# Altium PCB 210627 CB R0.PcbDoc
Units mm, origin at the board's own origin, x right, y up, seen from the top; angles counter-clockwise.
Board outline 152.4 x 101.6 mm, 2 copper layers (Top Layer, Bottom Layer); 148 components, 101 nets, 532 pads, 40 vias.
Unrouted connection lines stored in the file: 346.
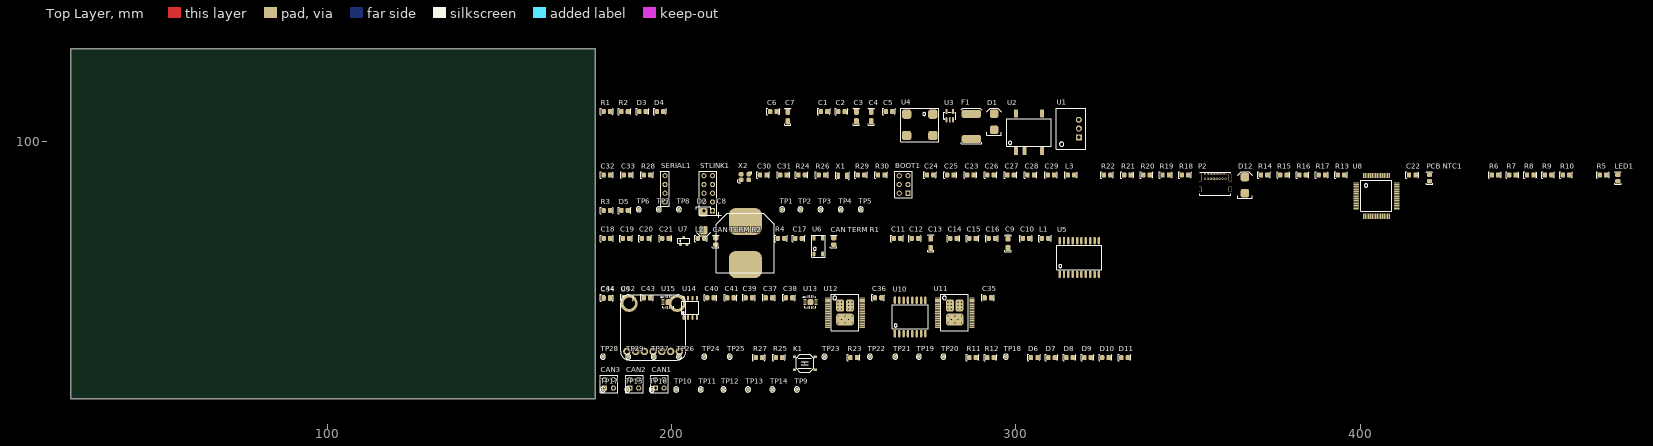
[diagram p0: Top Layer view]
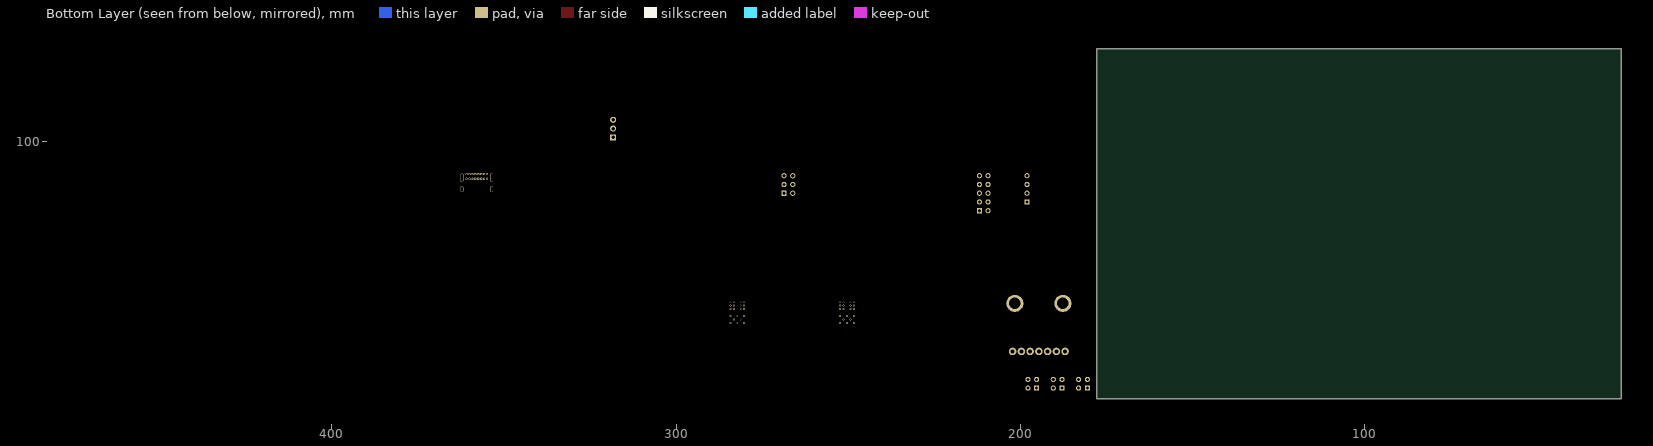
[diagram p1: Bottom Layer view, seen from below]

## Layer stack, top to bottom
Top Solder: solder mask 0.0102, Solder Resist, Dk 3.5
Top Layer: signal copper 0.0356
Dielectric 1: dielectric 0.32, FR-4, Dk 4.8
Bottom Layer: signal copper 0.0356
Bottom Solder: solder mask 0.0102, Solder Resist, Dk 3.5

## Board outline
25.4,25.4 177.8,25.4 177.8,127 25.4,127

## Design rules (kind name [scope] priority, off if disabled: settings)
Clearance [All] p1: gap=0.254 ignorepadtopadclearanceinfootprint=FALSE except(0: Arc-Hole Track-Hole SMDPad-Hole THPad-Hole Via-Hole Fill-Hole Poly-Hole Region-Hole Text-Hole)
PolygonConnect [All] p1: connectstyle=Relief reliefconductorwidth=0.254 reliefentries=4 polygonreliefangle="90 Angle" airgapwidth=0.254
RoomDefinition "U_Output Drivers1" [InComponentClass('U_Output Drivers1')] p1: confinementstyle=ConfineIn formatcopy=TRUE lockcomponents=FALSE outline 178.943,42.291 294.64,42.291 294.64,58.547 178.943,58.547
RoomDefinition "U_Power Supply" [InComponentClass('U_Power Supply')] p2: confinementstyle=ConfineIn formatcopy=TRUE lockcomponents=FALSE outline 178.943,95.377 355.092,95.377 355.092,112.649 178.943,112.649
RoomDefinition U_Microcontroller [InComponentClass('U_Microcontroller')] p3: confinementstyle=ConfineIn formatcopy=TRUE lockcomponents=FALSE outline 178.943,76.962 527.939,76.962 527.939,94.234 178.943,94.234
RoomDefinition U_CAN [InComponentClass('U_CAN')] p4: confinementstyle=ConfineIn formatcopy=TRUE lockcomponents=FALSE outline 178.943,59.563 400.558,59.563 400.558,75.819 178.943,75.819
RoomDefinition U_Accelerometer [InComponentClass('U_Accelerometer')] p5: confinementstyle=ConfineIn formatcopy=TRUE lockcomponents=FALSE outline 178.943,36.322 204.343,36.322 204.343,58.42 178.943,58.42
RoomDefinition "Top Level" [InComponentClass('Top Level')] p6: confinementstyle=ConfineIn formatcopy=TRUE lockcomponents=FALSE outline 178.943,26.924 199.644,26.924 199.644,35.052 178.943,35.052
RoutingVias [All] p1: holewidth=0.711 width=1.27 viastyle="Through Hole" minholewidth=0.711 minwidth=1.27 maxholewidth=0.711 maxwidth=1.27
SolderMaskExpansion [All] p1: expansion=0.102 istentingtop=FALSE
Width [All] p1: maxlimit=0.254 minlimit=0.254 preferedwidth=0.254
30 further rules are at their usual default settings.

## Classes and differential pairs
differential pair class USB_DIFFPAIR: USBDM USBDP
differential pair class CAN_DIFFPAIR_IN: CANH_IN CANL_IN
net class MICROCONTROLLER: "0V (ISO)" "0V (ISO) (Crystal HS)" "0V (ISO) (Crystal LS)" "3.3V (ISO)" "5V (ISO)" "5V (ISO) (USB)" BOOT0 BOOT1 "CAN RX INDC" "CAN TX INDC" "I2C RX INDC" "I2C TX INDC" LED2 LED3 NetC7_2 NetC24_2 NetC25_2 NetC33_2 NetD5_K NetD6_K NetD7_K NetD8_K NetD9_K NetD10_K NetD11_K NetK1_1 NetK1_3 NetL3_1 NetLED1_K NetP2_A5 NetP2_A6 NetP2_A7 NetP2_A8 NetP2_B5 NetP2_B8 NetR16_1 NetR17_1 NetR22_2 NetSTLINK1_5 NetTP15_1 NetTP16_1 NetU8_2 NetU8_10 NetU8_11 NetU8_15 NetU8_20 NetU8_22 NetU8_23 NetU8_24 NetU8_25 NetU8_29 NetU8_33 NetU8_34 NetU8_35 NetU8_36 NetU8_37 NetU8_38 NetU8_39 NetU8_40 NetU8_41 NetU8_42 NetU8_43 NetU8_50 NetU8_51 NetU8_52 NetU8_53 NetU8_54 NetU8_62 NRST PA5 "PCB TEMP" SWCLK SWDIO UARTRX UARTTX USBDM_N USBDP_P XTALA XTALB XTALC XTALD
net class GLV: 0V 5V 12V/24V "12V/24V (Unprotected)" GLV+ GLV- NetC1_2
net class CAN_NET: "5V (CAN)" CANH CANH_IN_P CANL CANL_IN_N CANS NetC14_1 NetC14_2 NetC17_1 NetR4_2
component class "U_Output Drivers1": C35 C36 C37 C38 C39 C40 C41 C42 C43 C44 U10 U11 U12 U13 U14 U15
component class "U_Power Supply": C2 C4 C6 D1 D3 D12 F1 R1 R2 TP1 TP2 TP3 TP4 TP5 TP6 TP7 TP8 U1 U2 U3 U4
component class U_Microcontroller: BOOT1 C22 C23 C24 C25 C26 C28 C30 C31 C32 C33 D6 D7 D8 D9 D10 D11 D12 K1 L3 LED1 P2 "PCB NTC1" R6 R7 R8 R9 R10 R27 R28 R29 R30 SERIAL1 STLINK1 TP18 TP19 TP20 TP21 TP22 TP23 TP24 TP25 TP26 TP27 TP28 TP29 U8 X1 X2
component class U_CAN: C9 C10 C11 C12 C13 C14 C15 C16 C17 C18 C19 C20 C21 "CAN TERM R1" "CAN TERM R2" L1 L2 TP9 TP10 TP11 TP12 TP13 TP14 TP15 TP16 TP17 U5 U6 U7
component class U_Accelerometer: C34 U9
component class "Top Level": CAN1 CAN2 CAN3 P1

## Components (designator, comment, footprint, x,y, rotation, side; value= is the part's Value field where it differs from the comment)
BOOT1 "2.54mm" "TH 2.54mm Header 2x3" 268.605,85.09 r90 top
C1 "10uF" 0805 244.221,108.839 r0 top
C2 "10uF" 0805 249.301,108.839 r0 top
C3 "22uF" 1206 253.619,108.585 r90 top
C4 "22uF" 1206 257.937,108.585 r90 top
C5 "1uF" 0805 263.144,108.839 r0 top
C6 "100nF" 0805 229.489,108.839 r0 top
C7 "22uF" 1206 233.68,108.585 r90 top
C8 "470uF" "Vishay Radial 1616" 221.361,70.612 r90 top
C9 "10nF" 1206 297.688,71.755 r90 top
C10 "100nF" 0805 302.895,72.009 r0 top
C11 "10uF" 0805 265.43,72.009 r0 top
C12 "100nF" 0805 270.637,72.009 r0 top
C13 "10nF" 1206 275.209,71.755 r90 top
C14 "100nF" 0805 281.813,72.009 r0 top
C15 "10uF" 0805 287.401,72.009 r0 top
C16 "100nF" 0805 292.989,72.009 r0 top
C17 "100pF" 0805 236.855,72.009 r0 top
C18 "100pF" 0805 181.102,72.009 r0 top
C19 "100pF" 0805 186.69,72.009 r0 top
C20 "100pF" 0805 192.278,72.009 r0 top
C21 "100pF" 0805 198.12,72.009 r0 top
C22 "100nF" 0805 415.163,90.424 r0 top
C23 "1uF" 0805 286.766,90.424 r0 top
C24 "2.2uF" 0805 275.082,90.424 r0 top
C25 "2.2uF" 0805 280.924,90.424 r0 top
C26 "100nF" 0805 292.608,90.424 r0 top
C27 "100nF" 0805 298.45,90.424 r0 top
C28 "100nF" 0805 304.292,90.424 r0 top
C29 "100nF" 0805 310.134,90.424 r0 top
C30 "22pF" 0805 226.568,90.424 r0 top
C31 "22pF" 0805 232.41,90.424 r0 top
C32 "12pF" 0805 181.102,90.424 r0 top
C33 "12pF" 0805 186.944,90.424 r0 top
C34 "100nF" 0805 181.102,54.61 r0 top
C35 "100nF" 0805 291.846,54.737 r0 top
C36 "100nF" 0805 259.969,54.737 r0 top
C37 "1uF" 0805 228.219,54.737 r0 top
C38 "1uF" 0805 234.061,54.737 r0 top
C39 "1uF" 0805 222.377,54.737 r0 top
C40 "100nF" 0805 211.201,54.737 r0 top
C41 "100nF" 0805 217.043,54.737 r0 top
C42 "1uF" 0805 186.944,54.737 r0 top
C43 "1uF" 0805 192.786,54.737 r0 top
C44 "1uF" 0805 181.102,54.737 r0 top
CAN1 "2.54mm" "TH 2.54mm Header 2x2" 195.199,28.448 r0 top
CAN2 "2.54mm" "TH 2.54mm Header 2x2" 187.833,28.448 r0 top
CAN3 "2.54mm" "TH 2.54mm Header 2x2" 180.467,28.448 r0 top
"CAN TERM R1" "56R" 0805 247.015,71.12 r90 top
"CAN TERM R2" "56R" 0805 212.725,71.12 r90 top
D1 "SD560BTR" "SMB Diode" 293.624,103.759 r90 top
D2 "SM6T39CAY" "ST SMB Diode" 209.169,76.962 r90 top
D3 "Red" "0805 LED" 191.516,108.839 r0 top
D4 "Red" "0805 LED" 196.596,108.839 r0 top
D5 "Red" "0805 LED" 186.309,80.137 r0 top
D6 "Blue" "0805 LED" 305.308,37.338 r0 top
D7 "Blue" "0805 LED" 310.388,37.338 r0 top
D8 "Blue" "0805 LED" 315.595,37.338 r0 top
D9 "Blue" "0805 LED" 320.802,37.338 r0 top
D10 "Blue" "0805 LED" 326.009,37.338 r0 top
D11 "Blue" "0805 LED" 331.597,37.338 r0 top
D12 "SD560BTR" "SMB Diode" 366.522,85.344 r90 top
F1 "0ZCF0100AF2A" 2920 287.02,100.838 r90 top
K1 "TS-1187A-C-D-B" "XKB SW-4.5" 238.633,35.687 r0 top
L1 "Ferrite" 0805 308.483,72.009 r0 top
L2 "Ferrite" 0805 208.534,72.009 r0 top
L3 "Ferrite" 0805 315.976,90.424 r0 top
LED1 "Yellow" "0805 LED" 474.853,89.535 r90 top
P2 "USB4085-GF-A" USB4085-GF-A 357.759,86.614 r0 top
"PCB NTC1" "10K (NTC) (B25/85 3430K)" 0805 420.116,89.535 r90 top
R1 "510R" 0805 181.102,108.839 r0 top
R2 "510R" 0805 186.309,108.839 r0 top
R3 "510R" 0805 181.102,80.137 r0 top
R4 "0R" 0805 231.775,72.009 r0 top
R5 "10k" 0805 470.535,90.424 r0 top
R6 "2.2k" 0805 439.166,90.424 r0 top
R7 "2.2k" 0805 444.246,90.424 r0 top
R8 "2.2k" 0805 449.453,90.424 r0 top
R9 "2.2k" 0805 454.66,90.424 r0 top
R10 "2.2k" 0805 459.867,90.424 r0 top
R11 "2.2k" 0805 287.401,37.338 r0 top
R12 "2.2k" 0805 292.608,37.338 r0 top
R13 "10k" 0805 394.462,90.424 r0 top
R14 "3.3k" 0805 372.11,90.424 r0 top
R15 "3.3k" 0805 377.698,90.424 r0 top
R16 "3.3k" 0805 383.286,90.424 r0 top
R17 "3.3k" 0805 388.874,90.424 r0 top
R18 "20R" 0805 349.123,90.424 r0 top
R19 "20R" 0805 343.535,90.424 r0 top
R20 "5.1k" 0805 337.947,90.424 r0 top
R21 "5.1k" 0805 332.359,90.424 r0 top
R22 "10k" 0805 326.517,90.424 r0 top
R23 "51k" 0805 252.857,37.338 r0 top
R24 "0R" 0805 237.744,90.424 r0 top
R25 "0R" 0805 231.14,37.338 r0 top
R26 "0R" 0805 243.586,90.424 r0 top
R27 "0R" 0805 225.298,37.338 r0 top
R28 "0R" 0805 192.786,90.424 r0 top
R29 "0R" 0805 255.016,90.424 r0 top
R30 "0R" 0805 260.858,90.424 r0 top
SERIAL1 "2.54mm" "TH 2.54mm Header 1x4" 197.993,82.55 r90 top
STLINK1 "2.54mm" "TH 2.54mm Header 2x5" 211.836,80.01 r90 top
TP1 "0mm" "SMD Test Point 1mm" 232.029,80.391 r0 top
TP2 "0mm" "SMD Test Point 1mm" 237.363,80.391 r90 top
TP3 "0mm" "SMD Test Point 1mm" 243.205,80.391 r90 top
TP4 "0mm" "SMD Test Point 1mm" 249.047,80.391 r90 top
TP5 "0mm" "SMD Test Point 1mm" 254.889,80.391 r90 top
TP6 "0mm" "SMD Test Point 1mm" 190.373,80.391 r90 top
TP7 "0mm" "SMD Test Point 1mm" 196.215,80.391 r90 top
TP8 "0mm" "SMD Test Point 1mm" 202.057,80.391 r90 top
TP9 "0mm" "SMD Test Point 1mm" 236.347,28.067 r90 top
TP10 "0mm" "SMD Test Point 1mm" 201.295,28.067 r90 top
TP11 "0mm" "SMD Test Point 1mm" 208.407,28.067 r90 top
TP12 "0mm" "SMD Test Point 1mm" 215.011,28.067 r90 top
TP13 "0mm" "SMD Test Point 1mm" 222.123,28.067 r90 top
TP14 "0mm" "SMD Test Point 1mm" 229.235,28.067 r90 top
TP15 "0mm" "SMD Test Point 1mm" 187.071,28.067 r90 top
TP16 "0mm" "SMD Test Point 1mm" 194.183,28.067 r90 top
TP17 "0mm" "SMD Test Point 1mm" 179.959,28.067 r90 top
TP18 "0mm" "SMD Test Point 1mm" 297.053,37.592 r90 top
TP19 "0mm" "SMD Test Point 1mm" 271.78,37.592 r90 top
TP20 "0mm" "SMD Test Point 1mm" 278.892,37.592 r90 top
TP21 "0mm" "SMD Test Point 1mm" 264.922,37.592 r90 top
TP22 "0mm" "SMD Test Point 1mm" 257.556,37.592 r90 top
TP23 "0mm" "SMD Test Point 1mm" 244.348,37.592 r90 top
TP24 "0mm" "SMD Test Point 1mm" 209.423,37.592 r90 top
TP25 "0mm" "SMD Test Point 1mm" 216.789,37.592 r90 top
TP26 "0mm" "SMD Test Point 1mm" 202.057,37.592 r90 top
TP27 "0mm" "SMD Test Point 1mm" 194.691,37.592 r90 top
TP28 "0mm" "SMD Test Point 1mm" 179.959,37.592 r90 top
TP29 "0mm" "SMD Test Point 1mm" 187.325,37.592 r90 top
U1 "R-78C5.0-1.0" "RECOM 3-SIP" 318.262,101.346 r90 top
U2 "R2S-0505/HP" "RECOM 8-SMD (5 Pin)" 303.784,102.743 r0 top
U3 "RT9193-33GB" "RICHTEK SOT-23-5" 280.797,107.442 r0 top
U4 "744272121" "Wurth 4-PC Pad" 268.224,101.854 r0 top value="120uH @ 100kHz"
U5 "ADM3053" "AD SOIC-W 20" 318.389,66.421 r0 top
U6 "B82787C0104H002" "TDK 4-PC Pad" 241.3,67.437 r90 top value="100µH @ 100kHz"
U7 "NUP2105L" "ON SOT-23" 203.454,71.247 r0 top
U8 "STM32F446RET6" "STM 64-LQFP" 404.749,84.328 r0 top
U9 "1018" "Adafruit 1018" 194.564,36.576 r0 top
U10 "ADuM1400" "AD 16-SOIC" 270.51,49.149 r0 top
U11 "VNH7040AY" "ST PowerSSO-36" 282.194,50.419 r0 top
U12 "VNH7040AY" "ST PowerSSO-36" 250.317,50.419 r0 top
U13 "ADS7128" "TI 16-WQFN" 240.284,53.467 r0 top
U14 "ISO1540DR" "TI 8-SOIC" 205.994,58.674 r90 top
U15 "ADS7128" "TI 16-WQFN" 199.009,53.467 r0 top
X1 "32.768kHz" "EPSON 2-SMD" 249.555,90.17 r0 top
X2 "16MHz" "Abracon 4-SMD 3.2x2.5" 221.234,89.789 r0 top

## Footprints (in the part's own frame and the unit in brackets; to place one, negate y for a bottom-side part, rotate by r counter-clockwise, add the part's x,y. Pads: shape width x height; smd on the part's side, far side on the other; paste and mask are expansions set on the pad)
0805 [mm]
  rrect50% 1.3x1.5 smd: 1(-0.962,-0.026) 2(0.938,-0.026)
  silkscreen extent -1.85,-0.95 1.8,0.93, body extent -1,-0.65 1,0.66, height 0.73
"0805 LED" [mm]
  rrect50% 1.3x1.5 smd: A(-0.962,-0.026) K(0.938,-0.026)
  silkscreen extent -1.85,-0.95 1.8,0.93, body extent -1.1,-0.62 0.9,0.62, height 1
1206 [mm]
  rrect50% 1.8x1.4 smd: 1(-2.6,0) 2(0.2,0)
  silkscreen extent -3.7,-0.9 1.2,0.9, body extent -2.9,-0.9 0.5,0.9, height 1.85
2920 [mm]
  rrect50% 2.3x5.6 smd: 1(0,0) 2(7.3,0)
  silkscreen extent -1.4,-3 9,3, body extent -0.34,-2.81 7.64,2.81, height 1.14
"Abracon 4-SMD 3.2x2.5" [mm]
  rrect50% 1.4x1.2 smd: 1(-1.1,-0.8) 2(1.1,0.8) GND(-1.1,0.8) GND(1.1,-0.8)
  silkscreen extent -2.02,-1.6 2,1.61, body extent -1.6,-1.25 1.6,1.25, height 0.8
"AD 16-SOIC" [mil]
  rrect50% 28x85 smd: 1(-225,-192.02)
  oval 28x85 smd: 2(-175,-192.02) 3(-125,-192.02) 4(-75,-192.02) 5(-25,-192.02) 6(25,-192.02) 7(75,-192.02) 8(125,-192.02) 9(125,190) 10(75,189.96) 11(25,189.96) 12(-25,189.96) 13(-75,189.96) 14(-125,189.96) 15(-175,191.98) 16(-225,191.98)
  silkscreen extent -257,-138 155,138, body extent -256,-209 156,209, height 104
"AD SOIC-W 20" [mil]
  rrect50% 28x85 smd: 1(-225,-192.02)
  oval 28x85 smd: 2(-175,-192.02) 3(-125,-192.02) 4(-75,-192.02) 5(-25,-192.02) 6(25,-192.02) 7(75,-192.02) 8(125,-192.02) 9(175,-192.02) 10(225,-192.02) 11(225,192.02) 12(175,191.98) 13(125,191.98) 14(75,191.98) 15(25,191.98) 16(-25,191.98) 17(-75,191.98) 18(-125,191.98) 19(-175,191.98) 20(-225,191.98)
  silkscreen extent -257,-138 256,138, body extent -260,-210 260,210, height 105
"Adafruit 1018" [mm]
  round 5 hole 3.3: 0(-6.985,16.51) 0(6.985,16.51)
  round 2.2 hole 1.2 unplated: 1(-7.62,2.54) 2(-5.08,2.54) 3(-2.54,2.54) 4(0,2.54) 5(2.54,2.54) 6(5.08,2.54) 7(7.62,2.54)
  silkscreen extent -9.49,0.04 9.49,19.01, body extent -9.55,0.02 9.5,19.07, height 5.9
"EPSON 2-SMD" [mm]
  rrect50% 1x1.8 smd: 1(-1.25,0) 2(1.25,0)
  silkscreen extent -2,-1.2 2,1.2, body extent -1.5,-1 1.5,1, height 1
"ON SOT-23" [mm] "NUP2105L"
  rrect50% 0.8x0.9 smd: 1(-0.95,-1) 2(0.95,-1) 3(0,1)
  silkscreen extent -1.75,-0.65 1.75,0.75, body extent -1.5,-1.27 1.5,1.28, height 1
"RECOM 3-SIP" [mm] "12 to 42 Vdc In, 9 Vdc Out"
  rect 1.75x1.75 hole 1: 1(0,0)
  round 1.75 hole 1: 2(2.54,0) 3(5.08,0)
  silkscreen extent -3.5,-2 8.5,6.5, body extent -3.26,-2.02 8.34,6.48, height 11.41
"RECOM 8-SMD (5 Pin)" [mm]
  rrect50% 1.2x2.4 smd: 1(-3.81,-5.4) 2(-1.27,-5.4) 4(3.81,-5.4) 5(3.81,5.5) 8(-3.81,5.5)
  silkscreen extent -6.5,-4 6.5,4, body extent -6.37,-5.55 6.38,5.55, height 9.2
"RICHTEK SOT-23-5" [mil]
  rrect50% 19x58 smd: 1(-39.37,-39.37) 2(-1.97,-39.37) 3(35.43,-39.37) 4(35.43,53.63) 5(-39.37,53.63)
  silkscreen extent -69,-31 64,47, body extent -62,-51 58,67, height 57
"SMB Diode" [mm]
  rrect50% 2.5x2.5 smd: A(-0.25,0) K(4.45,0)
  silkscreen extent -1.75,-2.1 6,2.1, body extent -0.69,-1.97 4.9,1.97, height 2.5
"SMD Test Point 1mm" [mm]
  round 1 smd: 1(0,0)
  silkscreen extent -0.75,-0.75 0.75,0.75
"ST PowerSSO-36" [mm]
  rrect50% 1.55x0.36 smd: 1(-5,4.25) 2(-5,3.75) 3(-5,3.25) 4(-5,2.75) 5(-5,2.25) 6(-5,1.75) 7(-5,1.25) 8(-5,0.75) 9(-5,0.25) 10(-5,-0.25) 11(-5,-0.75) 12(-5,-1.25) 13(-5,-1.75) 14(-5,-2.25) 15(-5,-2.75) 16(-5,-3.25) 17(-5,-3.75) 18(-5,-4.25) 19(5,-4.25) 20(5,-3.75) 21(5,-3.25) 22(5,-2.75) 23(5,-2.25) 24(5,-1.75) 25(5,-1.25) 26(5,-0.75) 27(5,-0.25) 28(5,0.25) 29(5,0.75) 30(5,1.25) 31(5,1.75) 32(5,2.25) 33(5,2.75) 34(5,3.25) 35(5,3.75) 36(5,4.25)
  rrect50% 5.2x3.5 smd: S1(0,-2.025)
  rrect50% 2.35x3.5 smd: S2(-1.4,2.025) S3(1.4,2.025)
  silkscreen extent -4,-5.25 4,5.25, body extent -5.17,-5.15 5.17,5.15, height 2.33
"ST SMB Diode" [mm]
  rrect50% 2.5x2.5 smd: A(2.6,0) K(-2.6,0)
  silkscreen extent -4.28,-2.12 4.17,2.08, body extent -2.88,-1.99 2.71,1.95, height 2.5
"STM 64-LQFP" [mm]
  rrect50% 1.56x0.35 smd mask+0.05: 1(-5.93,3.75) 2(-5.93,3.25) 3(-5.93,2.75) 4(-5.93,2.25) 5(-5.93,1.75) 6(-5.93,1.25) 7(-5.93,0.75) 8(-5.93,0.25) 9(-5.93,-0.25) 10(-5.93,-0.75) 11(-5.93,-1.25) 12(-5.93,-1.75) 13(-5.93,-2.25) 14(-5.93,-2.75) 15(-5.93,-3.25) 16(-5.93,-3.75) 33(5.93,-3.75) 34(5.93,-3.25) 35(5.93,-2.75) 36(5.93,-2.25) 37(5.93,-1.75) 38(5.93,-1.25) 39(5.93,-0.75) 40(5.93,-0.25) 41(5.93,0.25) 42(5.93,0.75) 43(5.93,1.25) 44(5.93,1.75) 45(5.93,2.25) 46(5.93,2.75) 47(5.93,3.25) 48(5.93,3.75)
  rrect50% 0.35x1.56 smd mask+0.05: 17(-3.75,-5.93) 18(-3.25,-5.93) 19(-2.75,-5.93) 20(-2.25,-5.93) 21(-1.75,-5.93) 22(-1.25,-5.93) 23(-0.75,-5.93) 24(-0.25,-5.93) 25(0.25,-5.93) 26(0.75,-5.93) 27(1.25,-5.93) 28(1.75,-5.93) 29(2.25,-5.93) 30(2.75,-5.93) 31(3.25,-5.93) 32(3.75,-5.93) 49(3.75,5.93) 50(3.25,5.93) 51(2.75,5.93) 52(2.25,5.93) 53(1.75,5.93) 54(1.25,5.93) 55(0.75,5.93) 56(0.25,5.93) 57(-0.25,5.93) 58(-0.75,5.93) 59(-1.25,5.93) 60(-1.75,5.93) 61(-2.25,5.93) 62(-2.75,5.93) 63(-3.25,5.93) 64(-3.75,5.93)
  silkscreen extent -4.5,-4.5 4.5,4.5, body extent -6,-6 6,6, height 1.63
"TDK 4-PC Pad" [mm]
  rrect50% 1.35x0.9 smd: 1(0,0) 2(0,-2.5) 3(4.55,-2.5) 4(4.55,0)
  silkscreen extent -1,-3.2 5.5,0.7, body extent -0.02,-2.82 4.48,0.38, height 2.8
"TH 2.54mm Header 1x4" [mm]
  rect 1.5x1.5 hole 0.9: 1(0,0)
  round 1.5 hole 0.9: 2(2.54,0) 3(5.08,0) 4(7.62,0)
  silkscreen extent -1.27,-1.27 8.89,1.27, body extent -1.27,-1.27 8.89,1.27, height 9.5
"TH 2.54mm Header 2x2" [mm]
  rect 1.5x1.5 hole 0.9: 1(0,0)
  round 1.5 hole 0.9: 2(0,2.54) 3(2.54,0) 4(2.54,2.54)
  silkscreen extent -1.27,-1.27 3.81,3.81, body extent -1.27,-1.27 3.81,3.81, height 9.5
"TH 2.54mm Header 2x3" [mm]
  rect 1.5x1.5 hole 0.9: 1(0,0)
  round 1.5 hole 0.9: 2(0,2.54) 3(2.54,0) 4(2.54,2.54) 5(5.08,0) 6(5.08,2.54)
  silkscreen extent -1.27,-1.27 6.35,3.81, body extent -1.27,-1.27 6.35,3.81, height 9.5
"TH 2.54mm Header 2x5" [mm]
  rect 1.5x1.5 hole 0.9: 1(0,0)
  round 1.5 hole 0.9: 2(0,2.54) 3(2.54,0) 4(2.54,2.54) 5(5.08,0) 6(5.08,2.54) 7(7.62,0) 8(7.62,2.54) 9(10.16,0) 10(10.16,2.54)
  silkscreen extent -1.27,-1.27 11.43,3.81, body extent -1.27,-1.27 11.43,3.81, height 9.5
"TI 8-SOIC" [mm]
  oval 1.4x0.6 smd: 1(-9.677,2.54) 2(-9.677,1.27) 3(-9.677,0) 4(-9.677,-1.27) 5(-4.089,-1.27) 6(-4.089,0) 7(-4.089,1.27) 8(-4.089,2.54)
  silkscreen extent -8.74,-1.78 -5.03,3.17, body extent -9.96,-1.87 -3.76,3.14, height 1.76
"TI 16-WQFN" [mm]
  rrect50% 0.85x0.28 smd: 1(-1.575,0.75) 2(-1.575,0.25) 3(-1.575,-0.25) 4(-1.575,-0.75) 9(1.575,-0.75) 10(1.575,-0.25) 11(1.575,0.25) 12(1.575,0.75)
  rrect50% 0.28x0.85 smd: 5(-0.75,-1.575) 6(-0.25,-1.575) 7(0.25,-1.575) 8(0.75,-1.575) 13(0.75,1.575) 14(0.25,1.575) 15(-0.25,1.575) 16(-0.75,1.575)
  rrect50% 1.7x1.7 smd: 23(0,0)
  silkscreen extent -2.2,-1.6 1.6,1.6, body extent -1.58,-1.58 1.58,1.58, height 0.8
USB4085-GF-A [mm]
  round 0.65 hole 0.4: A1(-2.848,4.025) A4(-1.998,4.025) A5(-1.148,4.025) A6(-0.298,4.025) A7(0.552,4.025) A8(1.402,4.025) A9(2.252,4.025) A12(3.102,4.025) B1(3.102,2.675) B4(2.252,2.675) B5(1.402,2.675) B6(0.552,2.675) B7(-0.298,2.675) B8(-1.148,2.675) B9(-1.998,2.675) B12(-2.848,2.675)
  oval 0.9x2.4 hole 0.6 slot 2.1 at 90 deg: P1(-4.198,3.045) P2(4.452,3.045)
  oval 0.9x1.7 hole 0.6 slot 1.4 at 90 deg: P3(4.452,-0.335) P4(-4.198,-0.335)
  silkscreen extent -4.35,-2.07 4.6,4.58, body extent -4.39,-4.56 4.64,4.61, height 3.46
"Vishay Radial 1616" [mm]
  rrect50% 7.8x9.6 smd: 1(-6.25,0) 2(6.25,0)
  silkscreen extent -8.6,-8.4 8.9,8.5, body extent -9.3,-8.2 9.3,8.4, height 16.61
"Wurth 4-PC Pad" [mm]
  rrect50% 2.7x2.7 smd: 1(7.62,6.22) 2(0,6.22) 3(0,0) 4(7.62,0)
  silkscreen extent -1.7,-1.8 9.4,8, body extent -1.19,-1.24 8.81,7.46, height 6.2
"XKB SW-4.5" [mm]
  rrect50% 1x0.75 smd: 1(-3,-1.9) 2(3,-1.9) 3(-3,1.85) 4(3,1.85)
  silkscreen extent -2.55,-2.55 2.55,2.55, body extent -3,-2.55 3,2.55, height 1.35

## Part data
BOOT1: library part "TH 2.54mm Header 2x3", Angle=0, Contact=NA, Flange=No, Part Number="TH 2.54mm Header 2x3", Pitch=2.54mm, Positions=6, Row Spacing=2.54mm
C1 C2 C11 C15: library part GRM21BR6YA106KE43L, Digikey Part Number=490-10514-6-ND, Manufacturer=muRata, Rated Voltage=50V, Tolerance=10%, Material=X5R, Part Number=GRM21BR6YA106KE43L
C3 C4 C7: library part CC1206MKX5R7BB226, Digikey Part Number=311-1997-2-ND, Manufacturer=YAGEO, Rated Voltage=16V, Tolerance=20%, Material=Ceramic, Part Number=CC1206MKX5R7BB226
C5 C23 C37 C38 C39 C42 C43 C44: library part AC0805KKX7R8BB105, Digikey Part Number="DO NOT USE FOR NEW DESIGNS", Manufacturer=YAGEO, Rated Voltage=25V, Tolerance=10%, Material=X7R, Part Number=AC0805KKX7R8BB105
C6 C10 C12 C14 C16 C22 C34 C35 C36 C40 C41: library part GCM21BR71E104KA37L, Digikey Part Number="DO NOT USE FOR NEW DESIGNS", Manufacturer=muRata, Rated Voltage=25V, Tolerance=10%, Material=X7R, Part Number=GCM21BR71E104KA37L
C8: library part MAL214699108E3, Digikey Part Number=4442PHCT-ND, Manufacturer=Vishay, Rated Voltage=50V, Tolerance=20%, Material="Aluminium Electrolytic", Part Number=MAL214699108E3
C9 C13: library part GCM3195C2A103JA16D, Digikey Part Number=490-4978-2-ND, Manufacturer=muRata, Rated Voltage=100V, Tolerance=5%, Material=Ceramic, Part Number=GCM3195C2A103JA16D
C17 C18 C19 C20 C21: library part GCM21B5C1H101JA37L, Digikey Part Number="DO NOT USE FOR NEW DESIGNS", Manufacturer=muRata, Rated Voltage=50V, Tolerance=5%, Material=C0G, Part Number=GCM21B5C1H101JA37L
C24 C25: library part GCM21BR61C225KA37L, Digikey Part Number="DO NOT USE FOR NEW DESIGNS", Manufacturer=muRata, Rated Voltage=16V, Tolerance=10%, Material=X5R, Part Number=GCM21BR61C225KA37L
C26 C27 C28 C29: library part GCM21BR71H104KA37L, Digikey Part Number=490-6064-1-ND, Manufacturer=muRata, Rated Voltage=50V, Tolerance=±10%, Material=X7R, Part Number=GCM21BR71H104KA37L
C30 C31: library part GRM21A5C2E220JW01D, Digikey Part Number=490-5534-1-ND, Manufacturer=muRata, Rated Voltage=250V, Tolerance=±5%, Material="C0G, NP0", Part Number=GRM21A5C2E220JW01D
C32 C33: library part GCM21B5c1H120JA37L, Digikey Part Number="DO NOT USE FOR NEW DESIGNS", Manufacturer=muRata, Rated Voltage=50V, Tolerance=5%, Material=C0G, Part Number=GCM21B5c1H120JA37L
CAN1 CAN2 CAN3: library part "TH 2.54mm Header 2x2", Angle=0, Contact=NA, Flange=No, Part Number="TH 2.54mm Header 2x2", Pitch=2.54mm, Positions=4, Row Spacing=2.54mm
"CAN TERM R1" "CAN TERM R2": library part RC0805FR0756RL, Digikey Part Number=311-56.0CRCT-ND, Manufacturer=YAGEO, Rated Voltage=0.125W, Tolerance=0.01, Material=FR-07, Part Number=RC0805FR0756RL
D1 D12: "1.2V_F 600V 5A SMB", Digikey Part Number=1655-1530-2-ND, Manufacturer="SMC Diode Solutions", Digikey Link=https://www.digikey.com/product-detail/en/smc-diode-solutions/SD560BTR/1655-1530-2-ND/6022620, Part Number=SD560BTR
D2: "42.8V Clamp 93A (8/20µs) Ipp Tvs Diode Surface Mount SMB (DO-214AA)", Manufacturer=ST, Alternative Parts=https://www.digikey.com/en/products/detail/stmicroelectronics/SM6T39AY/2442901, Digikey Link=https://www.digikey.com/en/products/detail/stmicroelectronics/SM6T39CAY/2442903, Digikey Part Number=SM6T39CAY, Part Number=SM6T39CAY, Vbr=42.8V, Vf=42.8
D3 D4 D5: library part SML-210LTT86, "Red LED Indication - Discrete 1.75V 0805 (2012 Metric)", Digikey Part Number=511-1286-1-ND, Manufacturer="ROHM Semiconductor", Colour=Red, Digikey Link=https://www.digikey.com/product-detail/en/rohm-semiconductor/SML-210LTT86/511-1286-1-ND/637099, Part Number=SML-210LTT86
D6 D7 D8 D9 D10 D11: library part SML-MN2BCTT86C, "LED BLUE CLEAR 2012 SMD", Digikey Part Number=846-1207-1-ND, Manufacturer="ROHM Semiconductor", Colour=Blue, Digikey Link=https://www.digikey.com/product-detail/en/rohm-semiconductor/SMLMN2BCTT86C/846-1207-1-ND/6057239, Part Number=SML-MN2BCTT86C
F1: "PTC RESET FUSE 60V 1A 292", Digikey Part Number=507-2070-1-ND, Manufacturer="Littelfuse Inc.", Digikey Link=https://www.digikey.com/product-detail/en/bel-fuse-inc/0ZCF0100AF2A/507-2070-1-ND/6210547, Part Number=0ZCF0100AF2A
K1: "TACTILE SWITCHES SPST 5.10MM X 5.10MM 0.80MM SMD ROHS", Manufacturer="XKB Enerprise", Link=https://jlcpcb.com/client/index.html#/parts/componentSearch?searchTxt=usb, Part Number=TS-1187A-C-D-B
L1 L2 L3: library part MMZ2012Y202BTD25, Digikey Part Number=445-172872-1-ND, Manufacturer="TDK Corportation", Rated Current=400mA, Impedence="2 kOhms @ 100MHz", Material="Ferrite Bead", Part Number=MMZ2012Y202BTD25
LED1: library part SML-211YTT86, "Yellow LED Indication - Discrete 1.75V 0805 (2012 Metric)", Digikey Part Number=511-1293-1-ND, Manufacturer="ROHM Semiconductor", Colour=Yellow, Digikey Link=https://www.digikey.com/product-detail/en/rohm-semiconductor/SML-211YTT86/511-1293-1-ND/637106, Part Number=SML-211YTT86
P2: "USB - C (Type - C) USB 2.0 Receptacle Connector 16 Position Through Hole, Right Angle", Digikey Part Number=2073-USB4085-GF-ACT-ND, Angle=90, Digikey Link=https://www.digikey.ee/product-detail/en/gct/USB4085-GF-A/2073-USB4085-GF-ACT-ND/9859733, Part Number=USB4085-GF-A
"PCB NTC1": library part NTCS0805E3103FLT, Digikey Part Number=BC2733CT-ND, Manufacturer="Vishay Beyschlag", Rated Voltage=210mW, Tolerance=0.01, Part Number=NTCS0805E3103FLT
R1 R2 R3: library part RC0805FR07510RL, Digikey Part Number=311-510CRCT-ND, Manufacturer=YAGEO, Rated Voltage=0.125W, Tolerance=0.01, Material=FR-07, Part Number=RC0805FR07510RL
R4 R24 R25 R26 R27 R28 R29 R30: library part RC0805FR070RL, Digikey Part Number=311-0.0CRCT-ND, Manufacturer=YAGEO, Rated Voltage=0.125W, Tolerance=0.01, Material=FR-07, Part Number=RC0805FR070RL
R5 R13 R22: library part RC0805FR0710KL, Digikey Part Number=311-10.0KCRCT-ND, Manufacturer=YAGEO, Rated Voltage=0.125W, Tolerance=0.01, Material=FR-07, Part Number=RC0805FR0710KL
R6 R7 R8 R9 R10 R11 R12: library part RC0805FR072K2L, Digikey Part Number=311-2.20KCRCT-ND, Manufacturer=YAGEO, Rated Voltage=0.125W, Tolerance=0.01, Material=FR-07, Part Number=RC0805FR072K2L
R14 R15 R16 R17: library part RC0805FR073K3L, Digikey Part Number=311-3.30KCRCT-ND, Manufacturer=YAGEO, Rated Voltage=0.125W, Tolerance=0.01, Material=FR-07, Part Number=RC0805FR073K3L
R18 R19: library part RC0805FR0720RL, Digikey Part Number=311-20.0CRCT-ND, Manufacturer=YAGEO, Rated Voltage=0.125W, Tolerance=0.01, Material=FR-07, Part Number=RC0805FR0720RL
R20 R21: library part RC0805FR075K1L, Digikey Part Number=311-5.10KCRCT-ND, Manufacturer=YAGEO, Rated Voltage=0.125W, Tolerance=0.01, Material=FR-07, Part Number=RC0805FR075K1L
R23: library part RC0805FR0751KL, Digikey Part Number=311-51.0KCRCT-ND, Manufacturer=YAGEO, Rated Voltage=0.125W, Tolerance=0.01, Material=FR-07, Part Number=RC0805FR0751KL
SERIAL1: library part "TH 2.54mm Header 1x4", Angle=0, Contact=NA, Flange=No, Part Number="TH 2.54mm Header 1x4", Pitch=2.54mm, Positions=4, Row Spacing=2.54mm
STLINK1: library part "TH 2.54mm Header 2x5", Angle=0, Contact=NA, Flange=No, Part Number="TH 2.54mm Header 2x5", Pitch=2.54mm, Positions=10, Row Spacing=2.54mm
TP1 TP2 TP3 TP4 TP5 TP6 TP7 TP8 TP9 TP10 TP11 TP12 TP13 TP14 TP15 TP16 TP17 TP18 TP19 TP20 TP21 TP22 TP23 TP24 TP25 TP26 TP27 TP28 TP29: library part "SMD Test Point Small", Angle=0, Contact=NA, Flange=No, Part Number="SMD Test Point Small", Pitch=0mm, Positions=1, Row Spacing=0
U1: "CONV DC/DC 1A 5V OUT SIP VERT", Digikey Part Number=945-1395-5-ND, Manufacturer=Recom, Output Power=5W, Output Voltage=5V, Digikey Link=https://www.digikey.com.au/product-detail/en/recom-power/R-78C5.0-1.0/945-1395-5-ND/2652148, Isolation=Non-Isolated, Part Number=R-78C5.0-1.0
U2: "Isolated Module DC DC Converter 1 Output 3.3V 606mA 4.5V - 5.5V Input", Digikey Part Number=945-1764-5-ND, Input Voltage=4.5V-5.5V, Manufacturer=Recom, Output Power=2W, Output Voltage=5V, Digikey Link=https://www.digikey.com/product-detail/en/recom-power/R2S-0505-HP/945-1764-5-ND/2302761, Efficiency=0.85, Isolation=Isolated, Part Number=R2S-0505/HP
U3: "Linear Voltage Regulator IC 1 Output 300mA SOT-23-5", Digikey Part Number=1028-1014-1-ND, Input Voltage=5.5V-0.3V, Manufacturer=Richtek, Output Power=1W, Output Voltage=3.3V, Digikey Link=https://www.digikey.com/products/en?keywords=1028-1014-1-ND, Efficiency=0.5, Isolation=Non-Isolated, Part Number=RT9193-33GB
U4: "120µH @ 100kHz 2 Line Common Mode Choke Surface Mount 460 Ohms @ 30MHz 2.5A DCR 25mOhm", Digikey Part Number=732-1489-1-ND, Manufacturer="Wurth Electronics Inc", Rated Current=2.5A, Digikey Link=https://www.digikey.com/product-detail/en/w-rth-elektronik/744272121/732-1489-1-ND/1639501, Impedence="460 Ohms @ 30MHz", Material=Wirewound, Part Number=744272121
U5: "Isolated CAN Transceiver", Digikey Part Number=ADM3053BRWZ-ND, Manufacturer="Analogue Devices", Digikey Link=https://www.digikey.com/product-detail/en/analog-devices-inc/ADM3053BRWZ/ADM3053BRWZ-ND/2709332, Part Number=ADM3053
U6: "100µH @ 100kHz 2 Line Common Mode Choke Surface Mount 5.8 kOhms @ 10MHz 150mA DCR 2Ohm", Digikey Part Number=495-4598-1-ND, Manufacturer="EPCOS (TDK)", Rated Current=150mA, Digikey Link=https://www.digikey.com/product-detail/en/epcos-tdk/B82787C0104H002/495-4598-2-ND/3680998, Impedence="5.8 kOhms @ 10MHz", Material=Wirewound, Part Number=B82787C0104H002
U7: "Dual Line CAN Bus Protector", Digikey Part Number=NUP2105LT1GOSCT-ND, Manufacturer="ON Semiconductor", Digikey Link=https://www.digikey.com/product-detail/en/on-semiconductor/NUP2105LT1G/NUP2105LT1GOSCT-ND/1485001, Part Number=NUP2105L
U8: "ARM® Cortex®-M4 STM32F4 Microcontroller IC 32-Bit 180MHz 512KB (512K x 8) FLASH 64-LQFP (10x10)", Digikey Part Number=497-15376-ND, Manufacturer=STMicroelectronics, Digikey Link=https://www.digikey.com.au/product-detail/en/stmicroelectronics/STM32F446RET6/497-15376-ND/5175962, Part Number=STM32F446RET6
U9: "ADXL326 series Accelerometer, 3 Axis Sensor Evaluation Board", Manufacturer=Adafruit, Supplier Part Number=1528-1011-ND, Link=https://www.digikey.com/en/products/detail/adafruit-industries-llc/1018/4990760, Part Number=1018
U10: "General Purpose Digital Isolator 2500Vrms 4 Channel 1Mbps 25kV/µs CMTI 16-SOIC (0.295\", 7.50mm Width)", Digikey Part Number=ADUM1400WSRWZ-ND, Manufacturer="Analog Devices", Digikey Link=https://www.digikey.com/product-detail/en/analog-devices-inc/ADUM1400WSRWZ/ADUM1400WSRWZ-ND/1873713, Part Number=ADuM1400
U11 U12: "Motor Driver Power MOSFET PWM PowerSSO-36 TP", Digikey Part Number=497-17631-1-ND, Manufacturer=STMicroelectronics, Digikey Link=https://www.digikey.com/en/products/detail/stmicroelectronics/VNH7040AYTR/7691019?s=N4IgTCBcDaIG4DsAWB2ADAFjSAugXyA, Notes/Alternatives=VNH7070AYTR, Part Number=VNH7040AY
U13 U15: "12 Bit Analog to Digital Converter 8 Input 1 SAR 16-WQFN (3x3)", Digikey Part Number=296-ADS7128IRTERCT-ND, Manufacturer="Texas Instruments", Digikey Link=https://www.digikey.com/en/products/detail/texas-instruments/ADS7128IRTER/12696006?s=N4IgTCBcDaIIYBMDOB2AjGAHCAugXyA, Part Number=ADS7128
U14: "I2C Digital Isolator (Multichannel)", Digikey Part Number=296-34871-1-ND, Manufacturer="Texas Instruments", Digikey Link=https://www.digikey.com/product-detail/en/texas-instruments/ISO1540DR/296-34871-1-ND/3587214, Part Number=ISO1540DR
X1: library part "FC-135 32.7680KA-A5", Digikey Part Number=SER4103TR-ND, Load Capacitance=12.5pF, Manufacturer=EPSON, Digikey Link=https://www.digikey.com/product-detail/en/epson/FC-135-32.7680KA-A5/SER4103TR-ND/5259895, ESR=70k, Part Number="FC-135 32.7680KA-A5"
X2: library part ABM8AIG-16.000MHZ-12-2Z-T3, Digikey Part Number=535-13386-1-ND, Load Capacitance=12pF, Manufacturer="Abracon LLC", Digikey Link=https://www.digikey.com/en/products/detail/abracon-llc/ABM8AIG-16-000MHZ-12-2Z-T3/5817586, ESR=70R, Part Number=ABM8AIG-16.000MHZ-12-2Z-T3

## Via types
v1: diameter 0.55, hole 0.25, Top Layer to Bottom Layer, 40 vias

## Nets (pads, with @x,y where several pads share a name; then routed paths per layer and width w, separated by ;. In a path a pad name is that pad's centre, name@x,y a point inside that pad or via, vN(x,y) a via of type N, cw(c..) or ccw(c..) an arc to the next point about the centre after c; other vN are vias at no path point)
0V: C2.1 C3.1 C37.1 C38.1 C39.2 C41.1 C42.1 C43.1 C44.2 R1.1 TP7.1 U1.2 U2.1 U4.3 U13.9 U14.5 U15.9
"0V (ISO)": "PCB NTC1.1" BOOT1.5 BOOT1.6 C4.1 C5.1 C6.1 C7.1 C9.1 C10.1 C15.1 C16.1 C22.1 C23.1 C24.1 C25.1 C26.1 C27.1 C28.1 C29.1 C34.1 C40.1 K1.2 P2.A1 P2.A12 P2.B1 P2.B12 P2.P1 R2.1 R3.1 R6.1 R7.1 R8.1 R9.1 R10.1 R11.1 R12.1 R20.2 R21.2 R25.1 R26.1 R27.1 R28.1 R29.1 R30.1 SERIAL1.4 STLINK1.3 STLINK1.4 TP8.1 U2.4 U3.2 U5.1 U5.3 U5.7 U5.9 U5.10 U8.12 U8.18 U8.31 U8.63 U9.3 U14.4
"0V (ISO) (Crystal HS)": C32.1 C33.1 R25.2 R27.2 X2.GND
"0V (ISO) (Crystal LS)": C30.1 C31.1 R26.2 R28.2
"3.3V (ISO)": BOOT1.1 BOOT1.2 C5.2 C9.2 C10.2 C23.2 C26.2 C27.2 C28.2 C29.2 C34.2 D5.A L3.2 R14.2 R15.2 R16.2 R17.2 R23.2 SERIAL1.1 STLINK1.7 STLINK1.8 TP5.1 U3.5 U5.6 U8.1 U8.19 U8.32 U8.48 U8.64 U9.1 U9.2
5V: C3.2 C37.2 C38.2 C41.2 C42.2 C43.2 D3.A TP3.1 U1.3 U2.2 U11.20 U11.22 U12.20 U12.22 U13.7 U13.10 U14.8 U15.7 U15.10
"5V (CAN)": C11.2 C12.2 C13.2 L1.2 TP9.1 U5.19
"5V (ISO)": C4.2 C6.2 C15.2 C16.2 C40.2 D4.A D12.K R5.2 STLINK1.9 STLINK1.10 TP4.1 U2.5 U3.1 U3.3 U5.8 U14.1
"5V (ISO) (USB)": D12.A P2.A4 P2.A9 P2.B4 P2.B9
12V/24V: C2.2 TP2.1 U1.1 U4.2
"12V/24V (Unprotected)": C8.2 D1.A D2.K F1.2
BOOT0: BOOT1.3 R22.1 R29.2 TP24.1
BOOT1: BOOT1.4 R13.2 R30.2 TP25.1
CAN1H: CAN1.3
CAN1L: CAN1.1
CAN2H: CAN2.3
CAN2L: CAN2.1
CAN3H: CAN3.3
CAN3L: CAN3.1
"CAN RX INDC": D7.A U8.27
"CAN TX INDC": D6.A U8.26
CANH: "CAN TERM R1.2" C19.2 CAN1.4 CAN2.4 CAN3.4 TP11.1 U6.1
CANH_IN_P: C21.2 TP13.1 U5.17 U6.4 U7.1
CANL: "CAN TERM R2.1" C18.2 CAN1.2 CAN2.2 CAN3.2 TP10.1 U6.2
CANL_IN_N: C20.2 TP12.1 U5.15 U6.3 U7.2
CANS: C11.1 C12.1 C13.1 C17.2 C18.1 C19.1 C20.1 C21.1 L2.2 R4.1 TP17.1 U5.11 U5.16 U5.20 U7.3
GLV+: C35.2 C36.2 U11.10 U11.18 U11.36 U11.S1 U12.10 U12.18 U12.36 U12.S1
  other v1: 248.317,47.419 250.317,47.419 252.317,47.419 280.194,47.419 282.194,47.419 284.194,47.419 249.317,48.419 251.317,48.419 281.194,48.419 283.194,48.419 248.317,49.419 250.317,49.419 252.317,49.419 280.194,49.419 282.194,49.419 284.194,49.419
GLV-: C35.1 C36.1 U11.3 U11.4 U11.5 U11.6 U11.7 U12.3 U12.4 U12.5 U12.6 U12.7
"Green In": 
"I2C RX INDC": D8.A U8.56
"I2C TX INDC": D9.A U8.55
INA: U11.16 U12.16 U13.3 U13.15
INB: U11.21 U12.21 U13.4 U13.16
LED2: D10.A U8.8
LED3: D11.A U8.9
MultiSense: U11.19 U12.19 U13.2 U13.6
"MultiSense SEL0": U11.15 U12.15 U13.1 U13.5
NetC1_2: C1.2 D1.K U4.1
NetC7_2: C7.2 U3.4
NetC14_1: C14.1 L2.1 U5.13
NetC14_2: C14.2 L1.1 U5.12
NetC17_1: "CAN TERM R1.1" "CAN TERM R2.2" C17.1
NetC24_2: C24.2 U8.47
NetC25_2: C25.2 U8.30
NetC33_2: C33.2 R24.1 X2.2
NetC39_1: C39.1 U13.8
NetC44_1: C44.1 U15.8
NetD3_K: D3.K R1.2
NetD4_K: D4.K R2.2
NetD5_K: D5.K R3.2
NetD6_K: D6.K R7.2
NetD7_K: D7.K R8.2
NetD8_K: D8.K R9.2
NetD9_K: D9.K R10.2
NetD10_K: D10.K R11.2
NetD11_K: D11.K R12.2
NetL3_1: L3.1 U8.13
NetLED1_K: LED1.K R6.2
NetP2_A5: P2.A5 R20.1
NetP2_A6: P2.A6 P2.B6 R18.1
NetP2_A7: P2.A7 P2.B7 R19.1
NetP2_B5: P2.B5 R21.1
NetR4_2: R4.2 TP14.1 U5.18
NetR13_1: R13.1 U8.28
NetR14_1: R14.1 U8.57
NetR15_1: R15.1 U8.58
NetR16_1: R16.1 TP19.1 U8.59
NetR17_1: R17.1 TP20.1 U8.61
NetR22_2: R22.2 U8.60
NetTP15_1: TP15.1 U5.5
NetTP16_1: TP16.1 U5.4
NetU9_4: U9.4
NetU9_5: U9.5
NetU9_6: U9.6
NetU9_7: U9.7
NetU10_6: U10.6
NetU10_11: U10.11 U11.17
NetU10_14: U10.14 U12.17
NetU11_2: U11.2 U11.8 U11.9 U11.S2 U12.2 U12.8 U12.9 U12.S2
  other v1: 248.317,51.419 249.317,51.419 280.194,51.419 281.194,51.419 248.317,52.419 249.317,52.419 280.194,52.419 281.194,52.419 248.317,53.419 249.317,53.419 280.194,53.419 281.194,53.419
NetU11_11: U11.11 U11.12 U11.13 U11.14 U12.11 U12.12 U12.13 U12.14
NetU11_23: U11.23 U11.24 U11.25 U11.26
NetU11_28: U11.28 U11.29 U11.35 U11.S3 U12.28 U12.29 U12.35 U12.S3
  other v1: 251.317,51.419 252.317,51.419 283.194,51.419 284.194,51.419 251.317,52.419 252.317,52.419 283.194,52.419 284.194,52.419 251.317,53.419 252.317,53.419 283.194,53.419 284.194,53.419
NetU12_23: U12.23 U12.24 U12.25 U12.26
NetU13_11: U13.11 U15.11
NetU14_2: U14.2
NetU14_3: U14.3
NRST: K1.4 R23.1 STLINK1.1 TP23.1 U8.7
PA5: LED1.A U8.21
"PCB TEMP": "PCB NTC1.2" C22.2 R5.1 TP18.1 U8.14
SCL: U13.13 U14.6 U15.13
SDA: U13.14 U14.7 U15.14
SWCLK: STLINK1.6 TP29.1 U8.49
SWDIO: STLINK1.2 TP26.1 U8.46
UARTRX: SERIAL1.3 TP28.1 U8.17
UARTTX: SERIAL1.2 TP27.1 U8.16
USBDM_N: R19.2 TP22.1 U8.44
USBDP_P: R18.2 TP21.1 U8.45
XTALA: C32.2 U8.5 X2.1
XTALB: R24.2 U8.6
XTALC: C30.2 U8.3 X1.1
XTALD: C31.2 U8.4 X1.2
pads on no net: C1.1 C8.1 D2.A F1.1 K1.1 K1.3 P2.A8 P2.B8 P2.P2 P2.P3 P2.P4 STLINK1.5 TP1.1 TP6.1 U2.8 U4.4 U5.2 U5.14 U8.2 U8.10 U8.11 U8.15 U8.20 U8.22 U8.23 U8.24 U8.25 U8.29 U8.33 U8.34 U8.35 U8.36 U8.37 U8.38 U8.39 U8.40 U8.41 U8.42 U8.43 U8.50 U8.51 U8.52 U8.53 U8.54 U8.62 U9.0 U10.1 U10.2 U10.3 U10.4 U10.5 U10.7 U10.8 U10.9 U10.10 U10.12 U10.13 U10.15 U10.16 U11.1 U11.27 U11.30 U11.31 U11.32 U11.33 U11.34 U12.1 U12.27 U12.30 U12.31 U12.32 U12.33 U12.34 U13.12 U13.23 U15.1 U15.2 U15.3 U15.4 U15.5 U15.6 U15.12 U15.15 U15.16 U15.23